# Altium PCB top_INA_v3.PcbDoc (part 3 of 5) (continued)
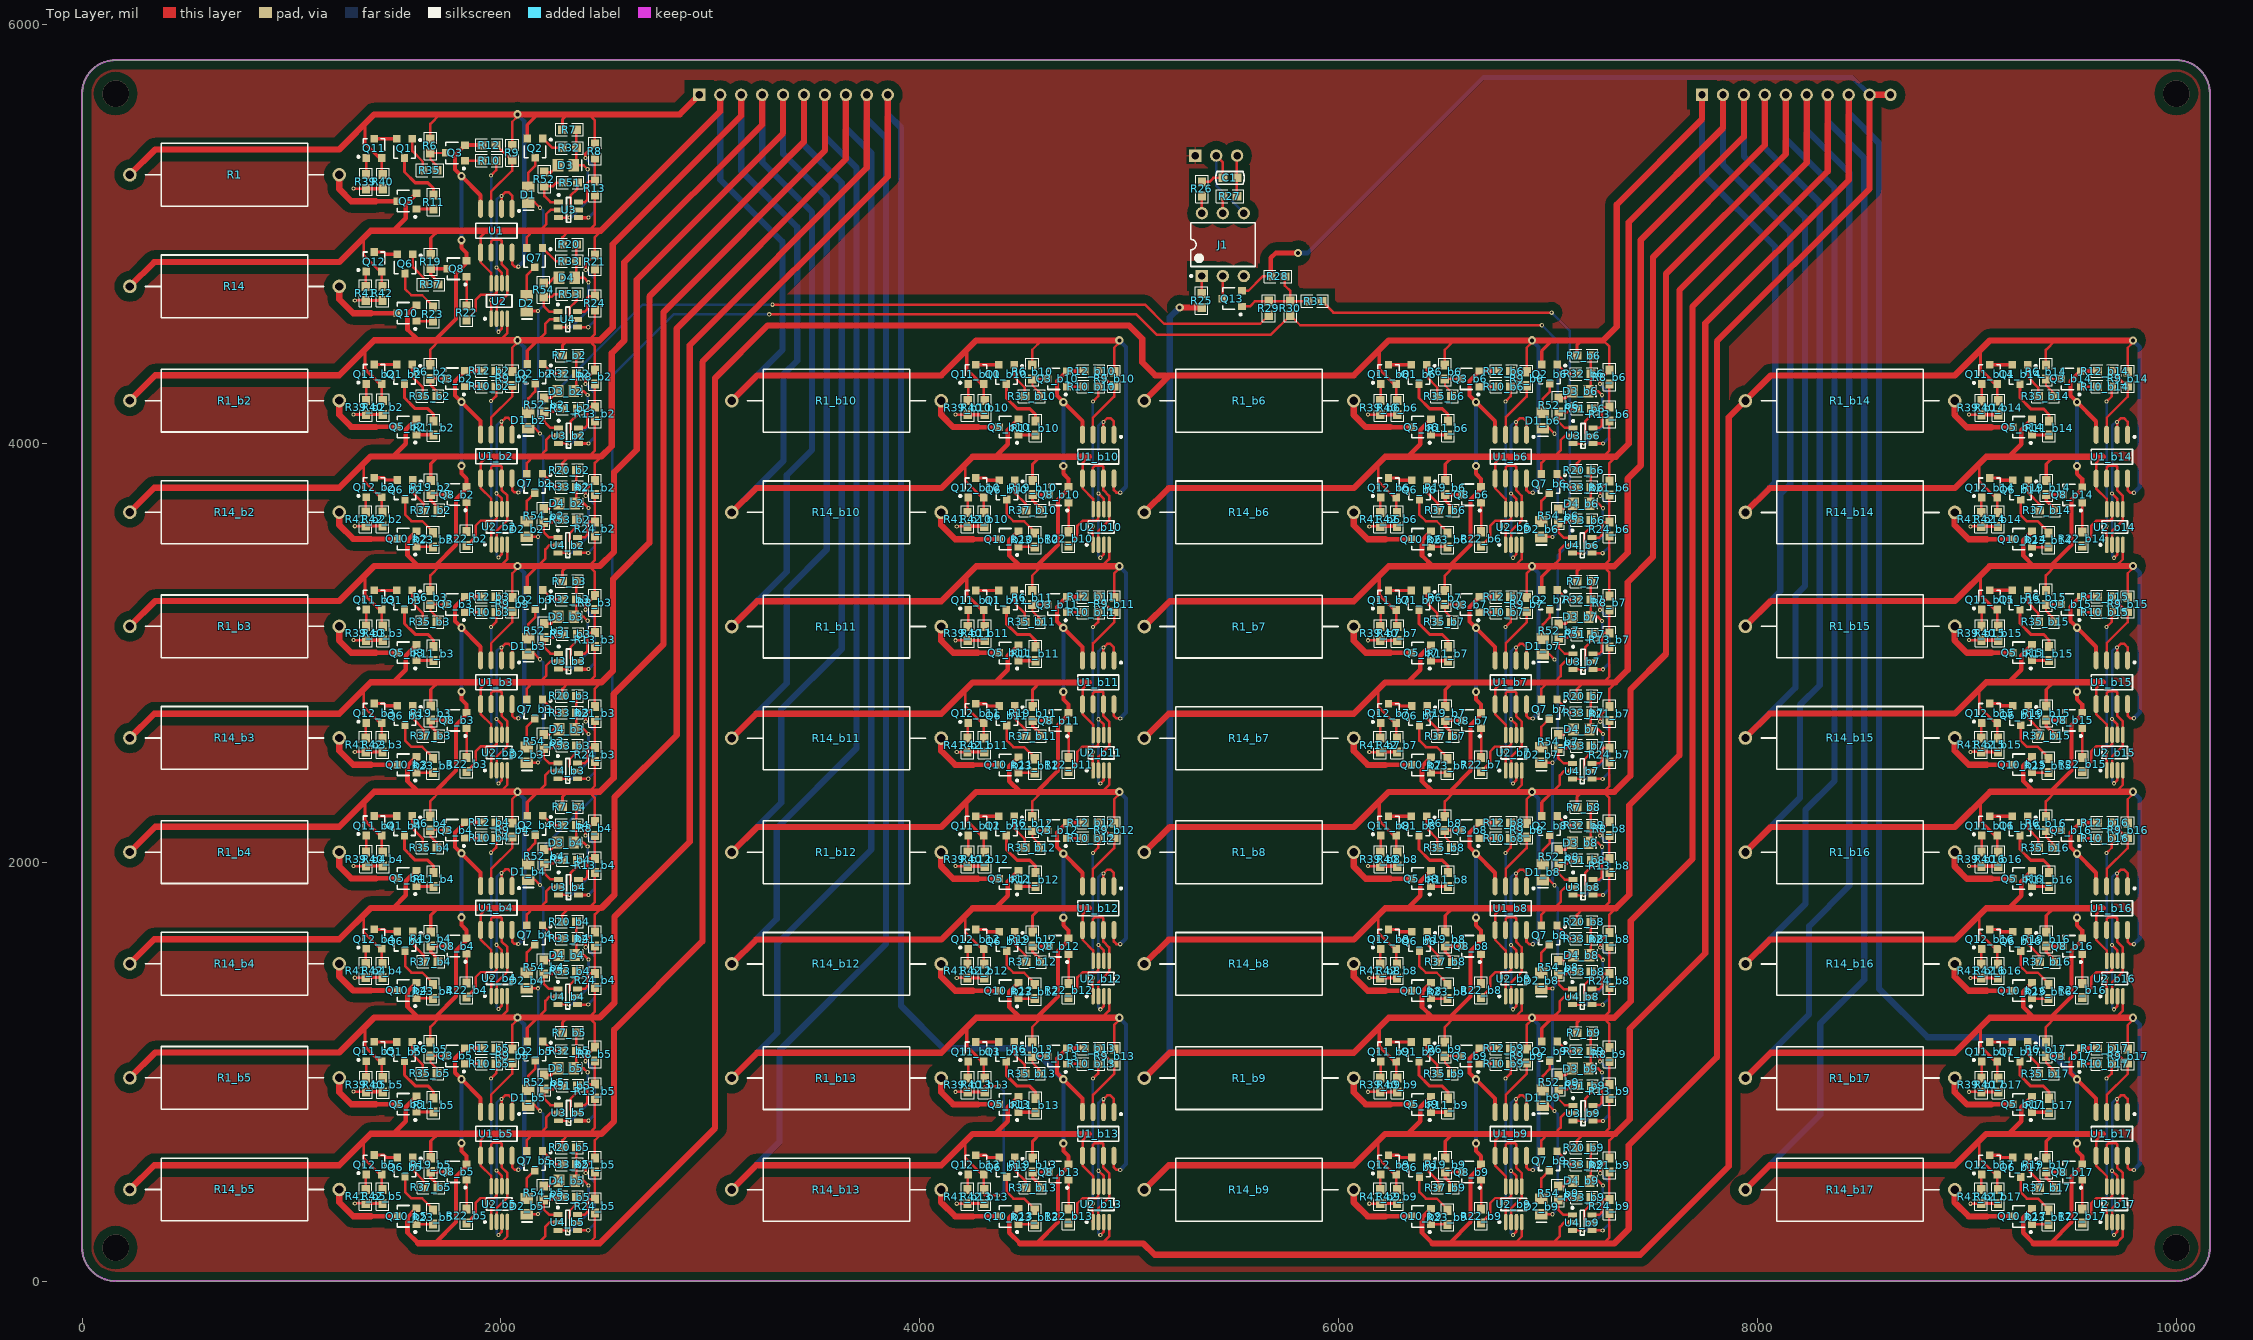
[diagram p0: Top Layer view]
## Nets (pads, with @x,y where several pads share a name; then routed paths per layer and width w, separated by ;. In a path a pad name is that pad's centre, name@x,y a point inside that pad or via, vN(x,y) a via of type N, cw(c..) or ccw(c..) an arc to the next point about the centre after c; other vN are vias at no path point) (continued)
  Bottom Layer w15: v1(7248,2127) 7291,2084 7291,1872 v1(7262,1843)
  Bottom Layer w20: v2(6655.72,2813.61) v2(6655.72,3119.01) ; v2(6922.86,2335.61) 6954.86,2303.61 6954.86,1636.61 v1(6926.86,1608.61)
  Bottom Layer w30: R14_b16.2@7941.99,1514.33 8228.99,1801.33 8228.99,2250.07 8367.86,2388.94 8367.86,5220.94 8134.99,5453.81 P2.5@8134.99,5664.07
IN_A8: P2.7 Q2_b9.2 Q3_b8.2 Q5_b17.2 Q8_b8.2 Q10_b8.2 Q11_b9.2 Q12_b17.2 R1_b9.2 R6_b9.2 R7_b9.2 R8_b9.2 R9_b9.2 R12_b8.1 R14_b17.2 R19_b17.2 R24_b8.1 R25.1 R40_b9.1 R42_b17.1 U1_b8.4 U1_b9.8 U1_b17.5 U2_b8.4 U2_b17.8 U3_b9.4 U4_b8.2 | length 24291.3
  Top Layer w12: Q11_b9.2@6275.39,1049.07 6275.39,974.4 R40_b9.1@6279.99,969.8 ; R6_b9.2@6506.86,1140.54 6506.86,1212.86 6551.54,1257.54 6551.61,1257.61 ; 6840.79,1257.54 6840.86,1257.61 6874.24,1291 U2_b8.4@6874.24,1359.96 ; U1_b9.8@6896.86,598.12 6896.86,542.61 6908.86,530.61 v1(6926.86,530.61) ; R9_b9.2@6897.86,1108.07 6897.86,1222.61 6922.86,1247.61 v2(6922.86,1257.61) v2(6922.86,1257.61) ; 7021,1257.54 7021.07,1257.61 7056,1292.54 7056,1337 7076,1357 U4_b8.2@7115.76,1357 ; 7263.24,1257.61 7263.31,1257.54 7292.86,1227.99 R8_b9.2@7292.86,1116.07 R8_b9.2@7292.39,1115.61 ; 7264.17,1257.54 7292.86,1286.22 R24_b8.1@7292.86,1401.14 ; 9057.99,667.11 9057.99,587.33 9137.25,508.07 Q12_b17.2@9145.39,508.07 9145.39,439.4 R42_b17.1@9147.99,436.8 ; 9647.86,702.61 9616.86,671.61 U1_b17.5@9616.86,598.12 9616.86,551.61 9667.47,501 U2_b17.8@9667.47,451.26
  Top Layer w15: 6193.99,1206.86 6193.99,1120.89 Q11_b9.2@6265.81,1049.07 ; Q2_b9.2@6969.6,1143.26 6969.6,1207.6 7019.54,1257.54 7019.61,1257.61 7020,1257.61 ; R7_b9.2@7137.54,1185 7137.54,1234.14 7158,1254.61 ; U3_b9.4@7214.24,764.6 7261.6,764.6 v1(7262,765) ; v1(7248,1049) 7248,1071.22 R8_b9.2@7292.39,1115.61 ; R19_b17.2@9378.86,588.07 9378.86,667.61 9413.86,702.61 9417.86,702.61
  Top Layer w20: Q11_b9.2@6265.81,1049.07 Q11_b9.2@6275.39,1049.07 ; 6530.86,1260.14 6629.86,1359.14 6629.86,1576.17 6680.12,1626.43 Q8_b8.2@6680.12,1636.01 6680.12,1674.35 6655.72,1698.74 v2(6655.72,1735.61) ; U1_b8.4@6746.86,1885.1 6746.86,1949.88 v2(6655.72,2041.01) 6624.72,2072.01 6624.72,2141.15 Q3_b8.2@6672.98,2189.41 R12_b8.1@6753.86,2189.41
  Top Layer w22: Q10_b8.2@6441.12,1424.01 6397.86,1380.75 6397.86,1308.61 6448.86,1257.61 6448.93,1257.54 ; 9199.86,702.61 9259.86,762.61 9259.86,829.75 Q5_b17.2@9311.12,881.01
  Top Layer w30: R1_b9.2@5071.99,969.33 5193.02,1090.36 6071.99,1090.36 6239.24,1257.61 6448.86,1257.61 6551.61,1257.61 6840.86,1257.61 v2(6922.86,1257.61) ; v2(5240.61,4648.61) R25.1@5345.99,4648.61 ; 6448.93,1257.54 6551.54,1257.54 6840.79,1257.54 v2(6922.86,1257.61) 7019.54,1257.54 7021,1257.54 7263.31,1257.54 7264.17,1257.54 7315.99,1257.54 7395,1336.55 7395,1721.08 7688.99,2015.07 7688.99,4652.55 8334.99,5298.55 P2.7@8334.99,5664.07 ; v2@6932.86,1257.61 7019.61,1257.61 ; 7020,1257.61 7021.07,1257.61 7263.24,1257.61 ; R14_b17.2@7941.99,436.33 8058.27,552.61 8941.99,552.61 9091.99,702.61 9199.86,702.61 9413.86,702.61 ; 9417.86,702.61 9647.86,702.61
  Bottom Layer w15: v1(7248,1049) 7291,1006 7291,794 v1(7262,765)
  Bottom Layer w20: v2(6655.72,1735.61) v2(6655.72,2041.01) ; v2(6922.86,1257.61) 6954.86,1225.61 6954.86,558.61 v1(6926.86,530.61)
  Bottom Layer w30: R1_b9.2@5071.99,969.33 5194,1091.34 5194,4602 v2(5240.61,4648.61) ; R14_b17.2@7941.99,436.33 8299.99,794.33 8299.99,1230.07 8509.28,1439.36 8509.28,5362.36 8334.99,5536.65 P2.7@8334.99,5664.07
IN_A9: P1.2 Q5.2 Q7.2 Q11_b10.2 Q12.2 R1_b10.2 R6_b10.2 R9_b10.2 R13.1 R14.2 R19.2 R20.2 R21.2 R40_b10.1 R42.1 U1.5 U1_b10.8 U2.8 U3.2 U4.4 | length 10310.1
  Top Layer w12: 1343.99,4980.11 1343.99,4900.33 1423.25,4821.07 Q12.2@1431.39,4821.07 1431.39,4752.4 R42.1@1433.99,4749.8 ; 1933.86,5015.61 1902.86,4984.61 U1.5@1902.86,4911.12 1902.86,4864.61 1953.47,4814 U2.8@1953.47,4764.26 ; Q7.2@2123.6,4933.26 2123.6,4985.21 2154,5015.61 ; 2186,5015.61 2216,5045.61 2216,5094 2237,5115 U3.2@2275.76,5115 ; R20.2@2293.54,4950 2293.54,4983.54 2321,5011 2321,5015.61 ; U4.4@2366.24,4554.6 v1(2416.6,4554.6) ; v1(2405,4828) 2405,4856.22 R21.2@2448.86,4900.07 2448.86,4984.61 2479.86,5015.61 ; 2420,5015.61 2448.86,5044.47 R13.1@2448.86,5185.14 ; Q11_b10.2@4305.39,4283.07 4305.39,4208.4 R40_b10.1@4309.99,4203.8 ; R6_b10.2@4536.86,4374.54 4536.86,4446.86 4581.61,4491.61 ; U1_b10.8@4926.86,3832.12 4926.86,3776.61 4938.86,3764.61 v1(4956.86,3764.61) ; R9_b10.2@4927.86,4342.07 4927.86,4456.61 4952.86,4481.61 v2(4952.86,4491.61)
  Top Layer w15: R19.2@1664.86,4901.07 1664.86,4980.61 1699.86,5015.61 1703.86,5015.61 ; 4223.99,4440.86 4223.99,4354.89 Q11_b10.2@4295.81,4283.07
  Top Layer w20: Q11_b10.2@4295.81,4283.07 Q11_b10.2@4305.39,4283.07
  Top Layer w22: 1485.86,5015.61 1545.86,5075.61 1545.86,5142.75 Q5.2@1597.12,5194.01
  Top Layer w30: R14.2@227.99,4749.33 344.27,4865.61 1227.99,4865.61 1377.99,5015.61 1485.86,5015.61 1699.86,5015.61 ; 1703.86,5015.61 1933.86,5015.61 2154,5015.61 2186,5015.61 2321,5015.61 2420,5015.61 2476.53,5015.61 3046.99,5586.07 P1.2@3046.99,5664.07 ; R1_b10.2@3101.99,4203.33 3223.02,4324.36 4101.99,4324.36 4269.24,4491.61 4581.61,4491.61 v2(4952.86,4491.61)
  Bottom Layer w12: v1(2405,4828) 2447,4786 2447,4585 v1(2416.6,4554.6)
  Bottom Layer w20: v2(4952.86,4491.61) 4984.86,4459.61 4984.86,3792.61 v1(4956.86,3764.61)
  Bottom Layer w30: P1.2@3046.99,5664.07 3046.99,5259.12 3344.02,4962.1 3344.02,4445.36 R1_b10.2@3101.99,4203.33
IN_A10: P1.4 Q3_b10.2 Q5_b2.2 Q7_b2.2 Q8_b10.2 Q10_b10.2 Q11_b11.2 Q12_b2.2 R1_b11.2 R6_b11.2 R9_b11.2 R12_b10.1 R13_b2.1 R14_b2.2 R19_b2.2 R20_b2.2 R21_b2.2 R40_b11.1 R42_b2.1 U1_b2.5 U1_b10.4 U1_b11.8 U2_b2.8 U2_b10.4 U3_b2.2 U4_b2.4 | length 14606.8
  Top Layer w12: 1344,3902.04 1344,3822.26 1423.26,3743 Q12_b2.2@1431.4,3743 1431.4,3674.32 R42_b2.1@1434,3671.72 ; 1933.87,3937.54 1902.87,3906.54 U1_b2.5@1902.87,3833.05 1902.87,3786.54 1953.48,3735.92 U2_b2.8@1953.48,3686.18 ; Q7_b2.2@2123.61,3855.19 2123.61,3907.13 2154.01,3937.54 ; 2186.01,3937.54 2216.01,3967.54 2216.01,4015.93 2237.01,4036.93 U3_b2.2@2275.76,4036.93 ; R20_b2.2@2293.54,3871.93 2293.54,3905.46 2321.01,3932.93 2321.01,3937.54 ; U4_b2.4@2366.25,3476.52 v1(2416.61,3476.52) ; v1(2405.01,3749.93) 2405.01,3778.14 R21_b2.2@2448.87,3822 2448.87,3906.54 2479.87,3937.54 ; 2420.01,3937.54 2448.87,3966.39 R13_b2.1@2448.87,4107.07 ; Q11_b11.2@4305.39,3205.07 4305.39,3130.4 R40_b11.1@4309.99,3125.8 ; R6_b11.2@4536.86,3296.54 4536.86,3368.86 4581.54,3413.54 4581.61,3413.61 ; 4869.86,3412.61 4870.79,3413.54 4870.86,3413.61 4904.24,3447 U2_b10.4@4904.24,3515.96 ; U1_b11.8@4926.86,2754.12 4926.86,2698.61 4938.86,2686.61 v1(4956.86,2686.61) ; R9_b11.2@4927.86,3264.07 4927.86,3378.61 4952.86,3403.61 v2(4952.86,3413.61)
  Top Layer w15: R19_b2.2@1664.87,3823 1664.87,3902.54 1699.87,3937.54 1703.87,3937.54 ; 4223.99,3362.86 4223.99,3276.89 Q11_b11.2@4295.81,3205.07
  Top Layer w20: Q11_b11.2@4295.81,3205.07 Q11_b11.2@4305.39,3205.07 ; 4560.86,3416.14 4659.86,3515.14 4659.86,3732.17 4710.12,3782.43 Q8_b10.2@4710.12,3792.01 4710.12,3830.35 4685.72,3854.74 v2(4685.72,3891.61) ; 4580.86,3412.61 4581.79,3413.54 ; U1_b10.4@4776.86,4041.1 4776.86,4105.88 v2(4685.72,4197.01) 4654.72,4228.01 4654.72,4297.15 Q3_b10.2@4702.98,4345.41 R12_b10.1@4783.86,4345.41
  Top Layer w22: 1485.87,3937.54 1545.87,3997.54 1545.87,4064.68 Q5_b2.2@1597.13,4115.94 ; Q10_b10.2@4471.12,3580.01 4427.86,3536.75 4427.86,3464.61 4478.86,3413.61 4478.93,3413.54
  Top Layer w30: R14_b2.2@228,3671.26 344.28,3787.54 1228,3787.54 1378,3937.54 1485.87,3937.54 1699.87,3937.54 ; 1703.87,3937.54 1933.87,3937.54 2154.01,3937.54 2186.01,3937.54 2321.01,3937.54 2420.01,3937.54 2476.54,3937.54 ; 2479.87,3937.54 2529,3986.67 2529,4431.08 2588.99,4491.07 2588.99,4864.23 3246.99,5522.23 P1.4@3246.99,5664.07 ; R1_b11.2@3101.99,3125.33 3223.02,3246.36 4101.99,3246.36 4269.24,3413.61 4478.86,3413.61 4581.61,3413.61 4870.86,3413.61 v2(4952.86,3413.61) ; 4478.93,3413.54 4581.54,3413.54 4581.79,3413.54 4870.79,3413.54
  Bottom Layer w12: v1(2405.01,3749.93) 2447.01,3707.93 2447.01,3506.93 v1(2416.61,3476.52)
  Bottom Layer w20: v2(4685.72,3891.61) v2(4685.72,4197.01) ; v2(4952.86,3413.61) 4984.86,3381.61 4984.86,2714.61 v1(4956.86,2686.61)
  Bottom Layer w30: R1_b11.2@3101.99,3125.33 3363.99,3387.33 3363.99,3848.69 3485.44,3970.14 3485.44,5103.52 3246.99,5341.97 P1.4@3246.99,5664.07
IN_A11: P1.6 Q3_b11.2 Q5_b3.2 Q7_b3.2 Q8_b11.2 Q10_b11.2 Q11_b12.2 Q12_b3.2 R1_b12.2 R6_b12.2 R9_b12.2 R12_b11.1 R13_b3.1 R14_b3.2 R19_b3.2 R20_b3.2 R21_b3.2 R40_b12.1 R42_b3.1 U1_b3.5 U1_b11.4 U1_b12.8 U2_b3.8 U2_b11.4 U3_b3.2 U4_b3.4 | length 16880
  Top Layer w12: 1344,2824.04 1344,2744.26 1423.26,2665 Q12_b3.2@1431.4,2665 1431.4,2596.32 R42_b3.1@1434,2593.72 ; 1933.87,2859.54 1902.87,2828.54 U1_b3.5@1902.87,2755.05 1902.87,2708.54 1953.48,2657.92 U2_b3.8@1953.48,2608.18 ; Q7_b3.2@2123.61,2777.19 2123.61,2829.13 2154.01,2859.54 ; 2186.01,2859.54 2216.01,2889.54 2216.01,2937.93 2237.01,2958.93 U3_b3.2@2275.76,2958.93 ; R20_b3.2@2293.54,2793.93 2293.54,2827.46 2321.01,2854.93 2321.01,2859.54 ; U4_b3.4@2366.25,2398.52 v1(2416.61,2398.52) ; v1(2405.01,2671.93) 2405.01,2700.14 R21_b3.2@2448.87,2744 2448.87,2828.54 2479.87,2859.54 ; 2420.01,2859.54 2448.87,2888.39 R13_b3.1@2448.87,3029.07 ; Q11_b12.2@4305.39,2127.07 4305.39,2052.4 R40_b12.1@4309.99,2047.8 ; R6_b12.2@4536.86,2218.54 4536.86,2290.86 4581.54,2335.54 4581.61,2335.61 ; 4869.86,2334.61 4870.79,2335.54 4870.86,2335.61 4904.24,2369 U2_b11.4@4904.24,2437.96 ; U1_b12.8@4926.86,1676.12 4926.86,1620.61 4938.86,1608.61 v1(4956.86,1608.61) ; R9_b12.2@4927.86,2186.07 4927.86,2300.61 4952.86,2325.61 v2(4952.86,2335.61)
  Top Layer w15: R19_b3.2@1664.87,2745 1664.87,2824.54 1699.87,2859.54 1703.87,2859.54 ; 4223.99,2284.86 4223.99,2198.89 Q11_b12.2@4295.81,2127.07
  Top Layer w20: Q11_b12.2@4295.81,2127.07 Q11_b12.2@4305.39,2127.07 ; 4560.86,2338.14 4659.86,2437.14 4659.86,2654.17 4710.12,2704.43 Q8_b11.2@4710.12,2714.01 4710.12,2752.35 4685.72,2776.74 v2(4685.72,2813.61) ; 4580.86,2334.61 4581.79,2335.54 ; U1_b11.4@4776.86,2963.1 4776.86,3027.88 v2(4685.72,3119.01) 4654.72,3150.01 4654.72,3219.15 Q3_b11.2@4702.98,3267.41 R12_b11.1@4783.86,3267.41
  Top Layer w22: 1485.87,2859.54 1545.87,2919.54 1545.87,2986.68 Q5_b3.2@1597.13,3037.94 ; Q10_b11.2@4471.12,2502.01 4427.86,2458.75 4427.86,2386.61 4478.86,2335.61 4478.93,2335.54
  Top Layer w30: R14_b3.2@228,2593.26 344.28,2709.54 1228,2709.54 1378,2859.54 1485.87,2859.54 1699.87,2859.54 ; 1703.87,2859.54 1933.87,2859.54 2154.01,2859.54 2186.01,2859.54 2321.01,2859.54 2420.01,2859.54 2476.54,2859.54 ; 2479.87,2859.54 2535,2914.67 2535,3351.08 2708.99,3525.07 2708.99,4701.39 3446.99,5439.39 P1.6@3446.99,5664.07 ; R1_b12.2@3101.99,2047.33 3223.02,2168.36 4101.99,2168.36 4269.24,2335.61 4478.86,2335.61 4581.61,2335.61 4870.86,2335.61 v2(4952.86,2335.61) ; 4478.93,2335.54 4581.54,2335.54 4581.79,2335.54 4870.79,2335.54
  Bottom Layer w12: v1(2405.01,2671.93) 2447.01,2629.93 2447.01,2428.93 v1(2416.61,2398.52)
  Bottom Layer w20: v2(4685.72,2813.61) v2(4685.72,3119.01) ; v2(4952.86,2335.61) 4984.86,2303.61 4984.86,1636.61 v1(4956.86,1608.61)
  Bottom Layer w30: R1_b12.2@3101.99,2047.33 3338.99,2284.33 3338.99,2730.07 3626.86,3017.94 3626.86,5244.94 3446.99,5424.81 P1.6@3446.99,5664.07
IN_A12: P1.8 Q3_b12.2 Q5_b4.2 Q7_b4.2 Q8_b12.2 Q10_b12.2 Q11_b13.2 Q12_b4.2 R1_b13.2 R6_b13.2 R9_b13.2 R12_b12.1 R13_b4.1 R14_b4.2 R19_b4.2 R20_b4.2 R21_b4.2 R40_b13.1 R42_b4.1 U1_b4.5 U1_b12.4 U1_b13.8 U2_b4.8 U2_b12.4 U3_b4.2 U4_b4.4 | length 19153.2
  Top Layer w12: 1344,1746.04 1344,1666.26 1423.26,1587 Q12_b4.2@1431.4,1587 1431.4,1518.32 R42_b4.1@1434,1515.72 ; 1933.87,1781.54 1902.87,1750.54 U1_b4.5@1902.87,1677.05 1902.87,1630.54 1953.48,1579.92 U2_b4.8@1953.48,1530.18 ; Q7_b4.2@2123.61,1699.19 2123.61,1751.13 2154.01,1781.54 ; 2186.01,1781.54 2216.01,1811.54 2216.01,1859.93 2237.01,1880.93 U3_b4.2@2275.76,1880.93 ; R20_b4.2@2293.54,1715.93 2293.54,1749.46 2321.01,1776.93 2321.01,1781.54 ; U4_b4.4@2366.25,1320.52 v1(2416.61,1320.52) ; v1(2405.01,1593.93) 2405.01,1622.14 R21_b4.2@2448.87,1666 2448.87,1750.54 2479.87,1781.54 ; 2420.01,1781.54 2448.87,1810.39 R13_b4.1@2448.87,1951.07 ; Q11_b13.2@4305.39,1049.07 4305.39,974.4 R40_b13.1@4309.99,969.8 ; R6_b13.2@4536.86,1140.54 4536.86,1212.86 4581.54,1257.54 4581.61,1257.61 ; 4869.86,1256.61 4870.79,1257.54 4870.86,1257.61 4904.24,1291 U2_b12.4@4904.24,1359.96 ; U1_b13.8@4926.86,598.12 4926.86,542.61 4938.86,530.61 v1(4956.86,530.61) ; R9_b13.2@4927.86,1108.07 4927.86,1222.61 4952.86,1247.61 v2(4952.86,1257.61)
  Top Layer w15: R19_b4.2@1664.87,1667 1664.87,1746.54 1699.87,1781.54 1703.87,1781.54 ; 4223.99,1206.86 4223.99,1120.89 Q11_b13.2@4295.81,1049.07
  Top Layer w20: Q11_b13.2@4295.81,1049.07 Q11_b13.2@4305.39,1049.07 ; 4560.86,1260.14 4659.86,1359.14 4659.86,1576.17 4710.12,1626.43 Q8_b12.2@4710.12,1636.01 4710.12,1674.35 4685.72,1698.74 v2(4685.72,1735.61) ; 4580.86,1256.61 4581.79,1257.54 ; U1_b12.4@4776.86,1885.1 4776.86,1949.88 v2(4685.72,2041.01) 4654.72,2072.01 4654.72,2141.15 Q3_b12.2@4702.98,2189.41 R12_b12.1@4783.86,2189.41
  Top Layer w22: 1485.87,1781.54 1545.87,1841.54 1545.87,1908.68 Q5_b4.2@1597.13,1959.94 ; Q10_b12.2@4471.12,1424.01 4427.86,1380.75 4427.86,1308.61 4478.86,1257.61 4478.93,1257.54
  Top Layer w30: R14_b4.2@228,1515.26 344.28,1631.54 1228,1631.54 1378,1781.54 1485.87,1781.54 1699.87,1781.54 ; 1703.87,1781.54 1933.87,1781.54 2154.01,1781.54 2186.01,1781.54 2321.01,1781.54 2420.01,1781.54 2476.54,1781.54 ; 2479.87,1781.54 2542,1843.67 2542,2310.08 2838.99,2607.07 2838.99,4548.55 3646.99,5356.55 P1.8@3646.99,5664.07 ; R1_b13.2@3101.99,969.33 3223.02,1090.36 4101.99,1090.36 4269.24,1257.61 4478.86,1257.61 4581.61,1257.61 4870.86,1257.61 v2(4952.86,1257.61) ; 4478.93,1257.54 4581.54,1257.54 4581.79,1257.54 4870.79,1257.54
  Bottom Layer w12: v1(2405.01,1593.93) 2447.01,1551.93 2447.01,1350.93 v1(2416.61,1320.52)
  Bottom Layer w20: v2(4685.72,1735.61) v2(4685.72,2041.01) ; v2(4952.86,1257.61) 4984.86,1225.61 4984.86,558.61 v1(4956.86,530.61)
  Bottom Layer w30: R1_b13.2@3101.99,969.33 3318.99,1186.33 3318.99,1611.07 3768.28,2060.36 3768.28,5386.36 3646.99,5507.65 P1.8@3646.99,5664.07
IN_A13: P1.10 Q3_b13.2 Q5_b5.2 Q7_b5.2 Q8_b13.2 Q10_b13.2 Q11_b14.2 Q12_b5.2 R1_b14.2 R6_b14.2 R9_b14.2 R12_b13.1 R13_b5.1 R14_b5.2 R19_b5.2 R20_b5.2 R21_b5.2 R40_b14.1 R42_b5.1 U1_b5.5 U1_b13.4 U1_b14.8 U2_b5.8 U2_b13.4 U3_b5.2 U4_b5.4 | length 27466.7
  Top Layer w12: 1344,668.04 1344,588.26 1423.26,509 Q12_b5.2@1431.4,509 1431.4,440.32 R42_b5.1@1434,437.72 ; 1933.87,703.54 1902.87,672.54 U1_b5.5@1902.87,599.05 1902.87,552.54 1953.48,501.92 U2_b5.8@1953.48,452.18 ; Q7_b5.2@2123.61,621.19 2123.61,673.13 2154.01,703.54 ; 2186.01,703.54 2216.01,733.54 2216.01,781.93 2237.01,802.93 U3_b5.2@2275.76,802.93 ; R20_b5.2@2293.54,637.93 2293.54,671.46 2321.01,698.93 2321.01,703.54 ; U4_b5.4@2366.25,242.52 v1(2416.61,242.52) ; v1(2405.01,515.93) 2405.01,544.14 R21_b5.2@2448.87,588 2448.87,672.54 2479.87,703.54 ; 2420.01,703.54 2448.87,732.39 R13_b5.1@2448.87,873.07 ; 4870.79,179.54 4904.24,213 U2_b13.4@4904.24,281.96 ; Q11_b14.2@9145.39,4282.81 9145.39,4208.14 R40_b14.1@9149.99,4203.54 ; R6_b14.2@9376.86,4374.28 9376.86,4446.6 9421.61,4491.35 ; U1_b14.8@9766.86,3831.86 9766.86,3776.35 9778.86,3764.35 v1(9796.86,3764.35) ; R9_b14.2@9767.86,4341.81 9767.86,4456.35 9792.86,4481.35 v2(9792.86,4491.35)
  Top Layer w15: R19_b5.2@1664.87,589 1664.87,668.54 1699.87,703.54 1703.87,703.54 ; 9063.99,4440.6 9063.99,4354.63 Q11_b14.2@9135.81,4282.81
  Top Layer w20: 4560.86,182.14 4659.86,281.14 4659.86,498.17 4710.12,548.43 Q8_b13.2@4710.12,558.01 4710.12,596.35 4685.72,620.74 v2(4685.72,657.61) ; 4580.86,178.61 4581.79,179.54 ; U1_b13.4@4776.86,807.1 4776.86,871.88 v2(4685.72,963.01) 4654.72,994.01 4654.72,1063.15 Q3_b13.2@4702.98,1111.41 R12_b13.1@4783.86,1111.41 ; Q11_b14.2@9135.81,4282.81 Q11_b14.2@9145.39,4282.81
  Top Layer w22: 1485.87,703.54 1545.87,763.54 1545.87,830.68 Q5_b5.2@1597.13,881.94 ; Q10_b13.2@4471.12,346.01 4427.86,302.75 4427.86,230.61 4478.93,179.54
  Top Layer w30: R14_b5.2@228,437.26 344.28,553.54 1228,553.54 1378,703.54 1485.87,703.54 1699.87,703.54 ; 1703.87,703.54 1933.87,703.54 2154.01,703.54 2186.01,703.54 2321.01,703.54 2420.01,703.54 2476.54,703.54 ; 2479.87,703.54 2540,763.67 2540,1200.08 2961.99,1622.07 2961.99,4388.7 3846.99,5273.7 P1.10@3846.99,5664.07 ; 4478.93,179.54 4581.79,179.54 4870.79,179.54 5067.53,179.54 5121.99,125.07 7439.99,125.07 7862.99,548.07 7862.99,4124.07 R1_b14.2@7941.99,4203.07 8063.02,4324.1 8941.99,4324.1 9109.24,4491.35 9421.61,4491.35 v2(9792.86,4491.35)
  Bottom Layer w12: v1(2405.01,515.93) 2447.01,473.93 2447.01,272.93 v1(2416.61,242.52)
  Bottom Layer w20: v2(4685.72,657.61) v2(4685.72,963.01) ; v2(9792.86,4491.35) 9824.86,4459.35 9824.86,3792.35 v1(9796.86,3764.35)
  Bottom Layer w30: P1.10@3846.99,5664.07 3846.99,5571.07 3909.99,5508.07 3909.99,1314.01 4112,1112 4536.74,1112 v2(4685.72,963.01)
IN_A14: P2.2 Q3_b14.2 Q5_b6.2 Q7_b6.2 Q8_b14.2 Q10_b14.2 Q11_b15.2 Q12_b6.2 R1_b15.2 R6_b15.2 R9_b15.2 R12_b14.1 R13_b6.1 R14_b6.2 R19_b6.2 R20_b6.2 R21_b6.2 R40_b15.1 R42_b6.1 U1_b6.5 U1_b14.4 U1_b15.8 U2_b6.8 U2_b14.4 U3_b6.2 U4_b6.4 | length 14451.9
  Top Layer w12: 6187.99,3901.11 6187.99,3821.33 6267.25,3742.07 Q12_b6.2@6275.39,3742.07 6275.39,3673.4 R42_b6.1@6277.99,3670.8 ; 6777.86,3936.61 6746.86,3905.61 U1_b6.5@6746.86,3832.12 6746.86,3785.61 6797.47,3735 U2_b6.8@6797.47,3685.26 ; Q7_b6.2@6967.6,3854.26 6967.6,3906.21 6998,3936.61 ; 7030,3936.61 7060,3966.61 7060,4015 7081,4036 U3_b6.2@7119.76,4036 ; R20_b6.2@7137.54,3871 7137.54,3904.54 7165,3932 7165,3936.61 ; U4_b6.4@7210.24,3475.6 v1(7260.6,3475.6) ; v1(7249,3749) 7249,3777.22 R21_b6.2@7292.86,3821.07 7292.86,3905.61 7323.86,3936.61 ; 7264,3936.61 7292.86,3965.47 R13_b6.1@7292.86,4106.14 ; Q11_b15.2@9145.39,3206.07 9145.39,3131.4 R40_b15.1@9149.99,3126.8 ; R6_b15.2@9376.86,3297.54 9376.86,3369.86 9421.28,3414.28 9421.35,3414.35 9421.54,3414.54 ; 9465.54,3414.28 9465.61,3414.35 ; 9710.86,3413.35 9711.79,3414.28 9711.86,3414.35 9744.24,3446.74 U2_b14.4@9744.24,3515.7 ; 9754.79,3414.28 9754.86,3414.35 ; U1_b15.8@9766.86,2755.12 9766.86,2699.61 9778.86,2687.61 v1(9796.86,2687.61) ; R9_b15.2@9767.86,3265.07 9767.86,3379.61 v2@9792.86,3404.61
  Top Layer w15: R19_b6.2@6508.86,3822.07 6508.86,3901.61 6543.86,3936.61 6547.86,3936.61 ; 9063.99,3363.86 9063.99,3277.89 Q11_b15.2@9135.81,3206.07
  Top Layer w20: Q11_b15.2@9135.81,3206.07 Q11_b15.2@9145.39,3206.07 ; 9400.86,3415.88 9499.86,3514.88 9499.86,3731.91 9550.12,3782.17 Q8_b14.2@9550.12,3791.75 9550.12,3830.09 9525.72,3854.48 v2(9525.72,3891.35) ; 9464.86,3413.35 9465.79,3414.28 ; U1_b14.4@9616.86,4040.84 9616.86,4105.62 v2(9525.72,4196.75) 9494.72,4227.75 9494.72,4296.89 Q3_b14.2@9542.98,4345.15 R12_b14.1@9623.86,4345.15
  Top Layer w22: 6329.86,3936.61 6389.86,3996.61 6389.86,4063.75 Q5_b6.2@6441.12,4115.01 ; Q10_b14.2@9311.12,3579.75 9267.86,3536.49 9267.86,3464.35 9317.86,3414.35 9318.86,3413.35 ; 9362.86,3414.35 9362.93,3414.28
  Top Layer w30: R14_b6.2@5071.99,3670.33 5188.27,3786.61 6071.99,3786.61 6221.99,3936.61 6329.86,3936.61 6543.86,3936.61 ; 6547.86,3936.61 6777.86,3936.61 6998,3936.61 7030,3936.61 7165,3936.61 7264,3936.61 7320.53,3936.61 ; 7323.86,3936.61 7384.99,3997.74 7384.99,5055.65 7834.99,5505.65 P2.2@7834.99,5664.07 ; R1_b15.2@7941.99,3126.33 8063.02,3247.36 8941.99,3247.36 9108.35,3413.72 ; 9108.98,3414.35 9317.86,3414.35 9362.86,3414.35 9421.35,3414.35 9465.61,3414.35 9711.86,3414.35 9754.86,3414.35 ; 9362.93,3414.28 9421.28,3414.28 9465.54,3414.28 9465.79,3414.28 9711.79,3414.28 9754.79,3414.28 v2@9792.53,3414.28
  Bottom Layer w12: v1(7249,3749) 7291,3707 7291,3506 v1(7260.6,3475.6)
  Bottom Layer w20: v2(9525.72,3891.35) v2(9525.72,4196.75) ; v2(9792.86,3414.61) 9824.86,3382.61 9824.86,2715.61 v1(9796.86,2687.61)
  Bottom Layer w30: P2.2@7834.99,5664.07 7834.99,5329.55 8155.73,5008.81 8155.73,3803.81 8108.99,3757.07 8108.99,3293.33 R1_b15.2@7941.99,3126.33
IN_A15: P2.4 Q3_b15.2 Q5_b7.2 Q7_b7.2 Q8_b15.2 Q10_b15.2 Q11_b16.2 Q12_b7.2 R1_b16.2 R6_b16.2 R9_b16.2 R12_b15.1 R13_b7.1 R14_b7.2 R19_b7.2 R20_b7.2 R21_b7.2 R40_b16.1 R42_b7.1 U1_b7.5 U1_b15.4 U1_b16.8 U2_b7.8 U2_b15.4 U3_b7.2 U4_b7.4 | length 16729.6
  Top Layer w12: 6187.99,2823.11 6187.99,2743.33 6267.25,2664.07 Q12_b7.2@6275.39,2664.07 6275.39,2595.4 R42_b7.1@6277.99,2592.8 ; 6777.86,2858.61 6746.86,2827.61 U1_b7.5@6746.86,2754.12 6746.86,2707.61 6797.47,2657 U2_b7.8@6797.47,2607.26 ; Q7_b7.2@6967.6,2776.26 6967.6,2828.21 6998,2858.61 ; 7030,2858.61 7060,2888.61 7060,2937 7081,2958 U3_b7.2@7119.76,2958 ; R20_b7.2@7137.54,2793 7137.54,2826.54 7165,2854 7165,2858.61 ; U4_b7.4@7210.24,2397.6 v1(7260.6,2397.6) ; v1(7249,2671) 7249,2699.22 R21_b7.2@7292.86,2743.07 7292.86,2827.61 7323.86,2858.61 ; 7264,2858.61 7292.86,2887.47 R13_b7.1@7292.86,3028.14 ; Q11_b16.2@9145.39,2127.07 9145.39,2052.4 R40_b16.1@9149.99,2047.8 ; R6_b16.2@9376.86,2218.54 9376.86,2290.86 9421.54,2335.54 ; 9465.54,2336.54 9465.61,2336.61 ; 9710.86,2336.61 9744.24,2370 U2_b15.4@9744.24,2438.96 ; 9753.86,2335.61 9754.79,2336.54 9754.86,2336.61 ; U1_b16.8@9766.86,1676.12 9766.86,1620.61 9778.86,1608.61 v1(9796.86,1608.61) ; R9_b16.2@9767.86,2186.07 9767.86,2300.61 v2@9792.86,2325.61
  Top Layer w15: R19_b7.2@6508.86,2744.07 6508.86,2823.61 6543.86,2858.61 6547.86,2858.61 ; 9063.99,2284.86 9063.99,2198.89 Q11_b16.2@9135.81,2127.07
  Top Layer w20: Q11_b16.2@9135.81,2127.07 Q11_b16.2@9145.39,2127.07 ; 9400.86,2339.14 9499.86,2438.14 9499.86,2655.17 9550.12,2705.43 Q8_b15.2@9550.12,2715.01 9550.12,2753.35 9525.72,2777.74 v2(9525.72,2814.61) ; 9464.86,2335.61 9465.79,2336.54 ; U1_b15.4@9616.86,2964.1 9616.86,3028.88 v2(9525.72,3120.01) 9494.72,3151.01 9494.72,3220.15 Q3_b15.2@9542.98,3268.41 R12_b15.1@9623.86,3268.41
  Top Layer w22: 6329.86,2858.61 6389.86,2918.61 6389.86,2985.75 Q5_b7.2@6441.12,3037.01 ; Q10_b15.2@9311.12,2503.01 9267.86,2459.75 9267.86,2387.61 9318.86,2336.61 ; 9362.86,2336.61 9362.93,2336.54
  Top Layer w30: R14_b7.2@5071.99,2592.33 5188.27,2708.61 6071.99,2708.61 6221.99,2858.61 6329.86,2858.61 6543.86,2858.61 ; 6547.86,2858.61 6777.86,2858.61 6998,2858.61 7030,2858.61 7165,2858.61 7264,2858.61 7320.53,2858.61 7380,2918.08 7380,3337.08 7500.99,3458.07 7500.99,4888.81 8034.99,5422.81 P2.4@8034.99,5664.07 ; R1_b16.2@7941.99,2047.33 8063.02,2168.36 8941.99,2168.36 9110.24,2336.61 9318.86,2336.61 9362.86,2336.61 9465.61,2336.61 9710.86,2336.61 9754.86,2336.61 v2(9792.99,2336.61) ; 9362.93,2336.54 9465.54,2336.54 9465.79,2336.54 9754.79,2336.54
  Bottom Layer w12: v1(7249,2671) 7291,2629 7291,2428 v1(7260.6,2397.6)
  Bottom Layer w20: v2(9525.72,2814.61) v2(9525.72,3120.01) ; v2@9792.86,2335.61 9824.86,2303.61 9824.86,1636.61 v1(9796.86,1608.61)
  Bottom Layer w30: R1_b16.2@7941.99,2047.33 8202.99,2308.33 ; P2.4@8034.99,5664.07 8034.99,5412.39 8297.15,5150.23 8297.15,2845.07 8202.99,2750.92 8202.99,2309.33